# KiCad board safeproject-panel-r2.kicad_pcb
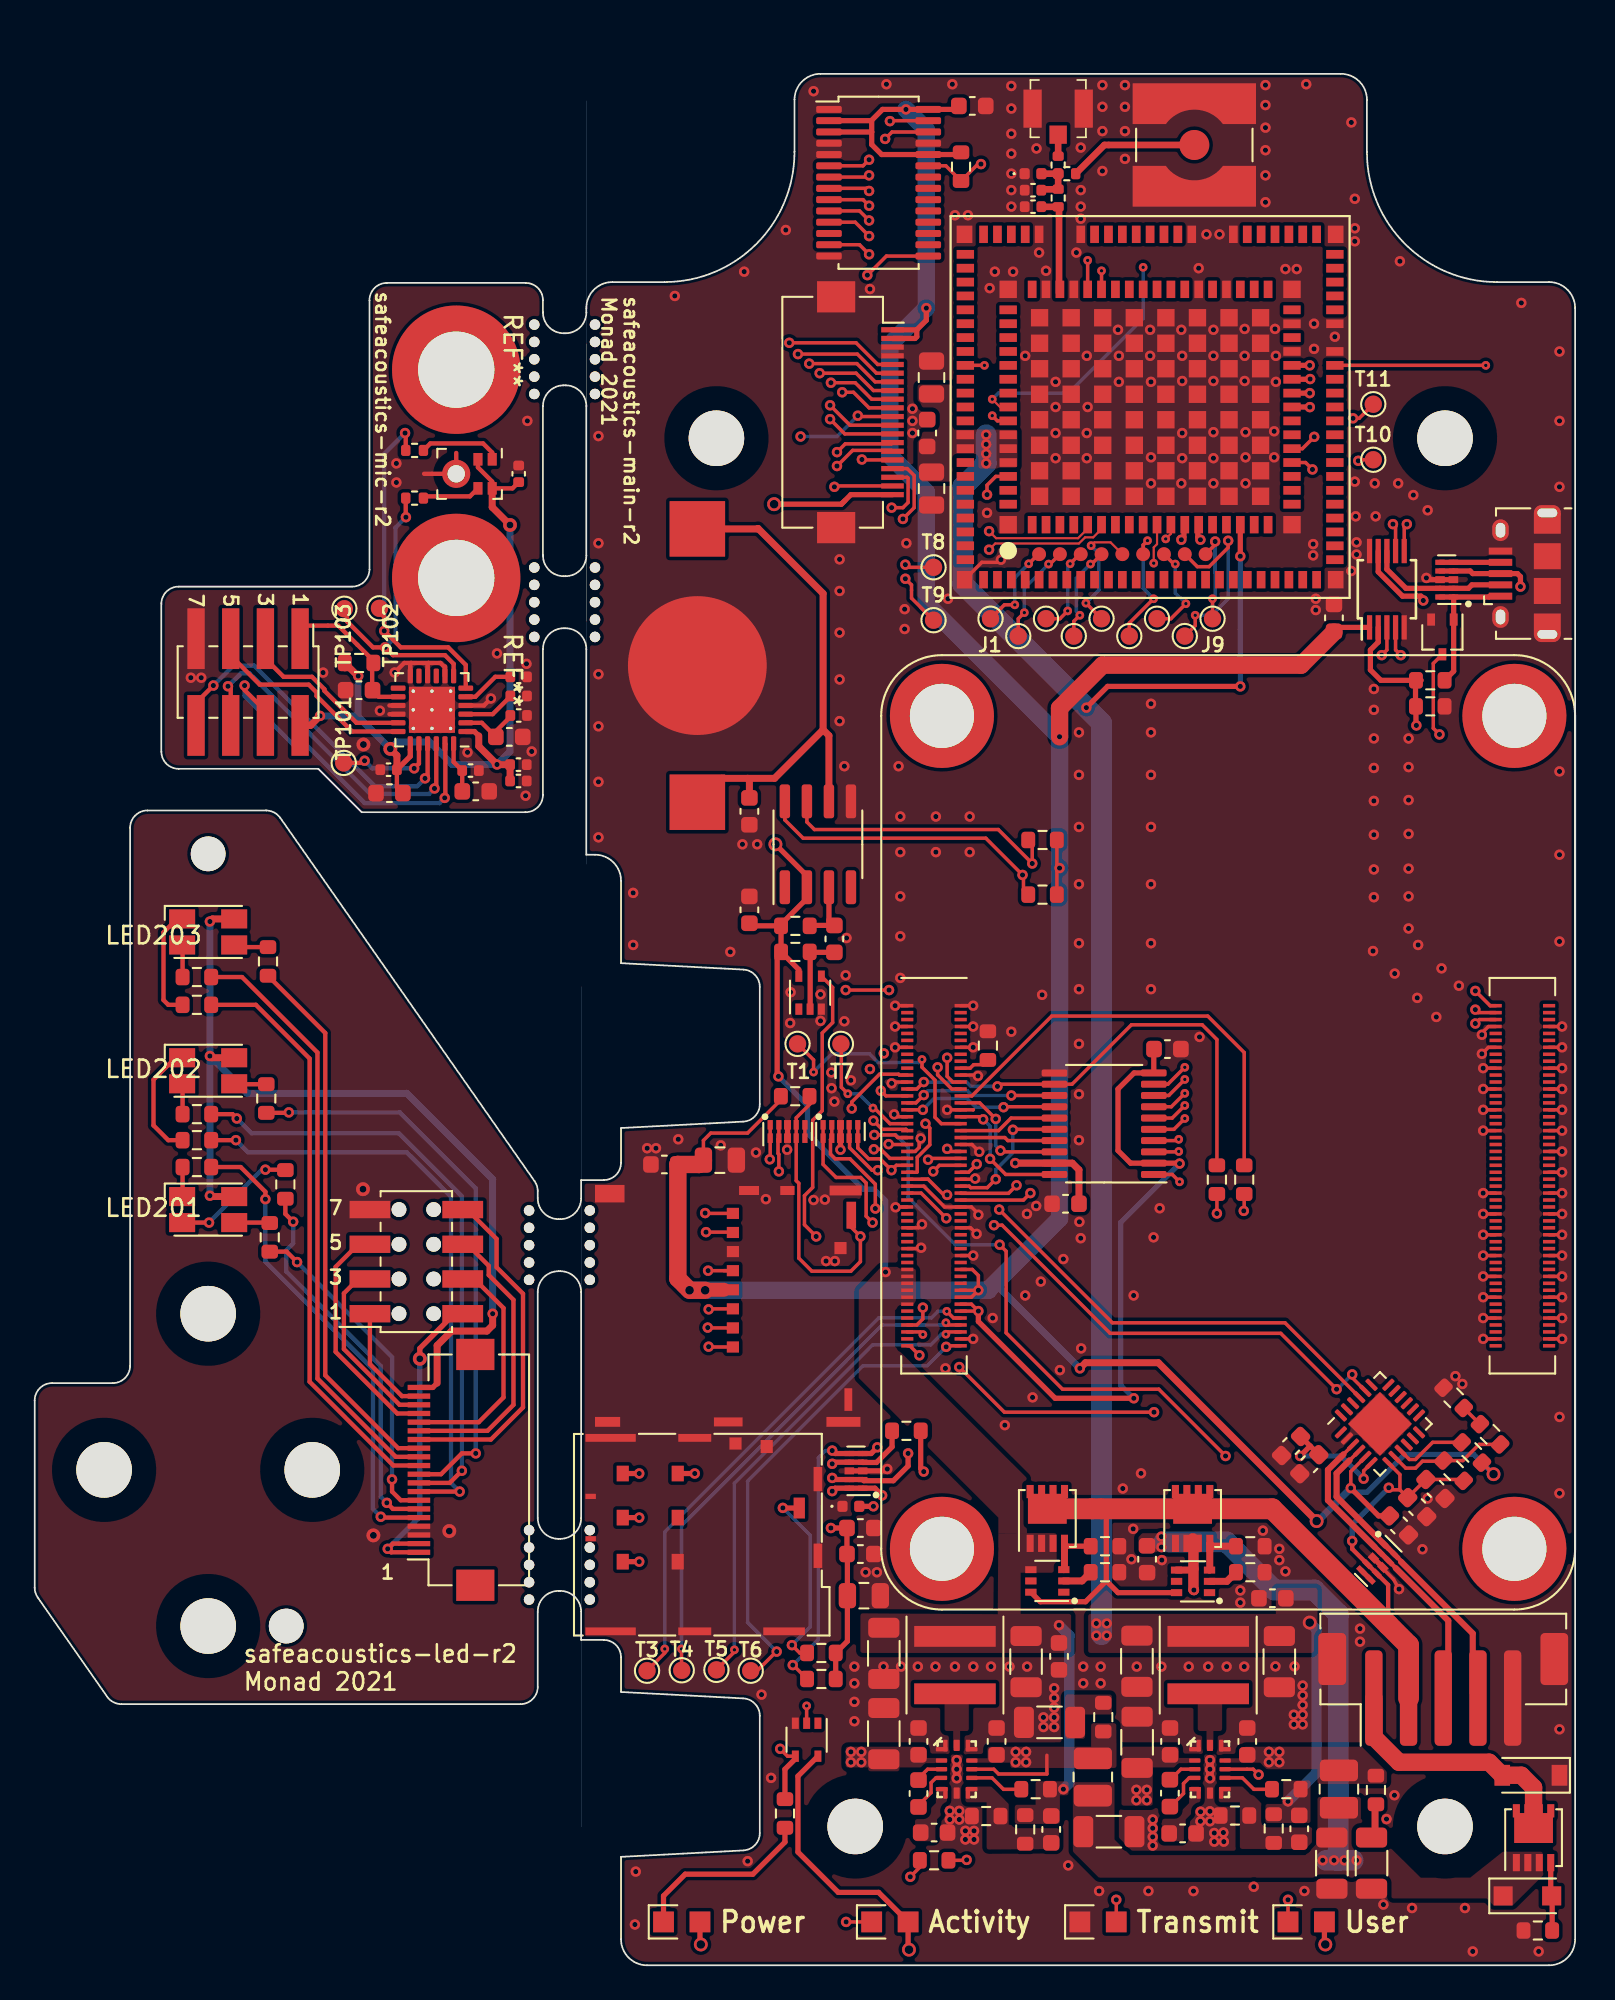
[diagram p0: board, top side]
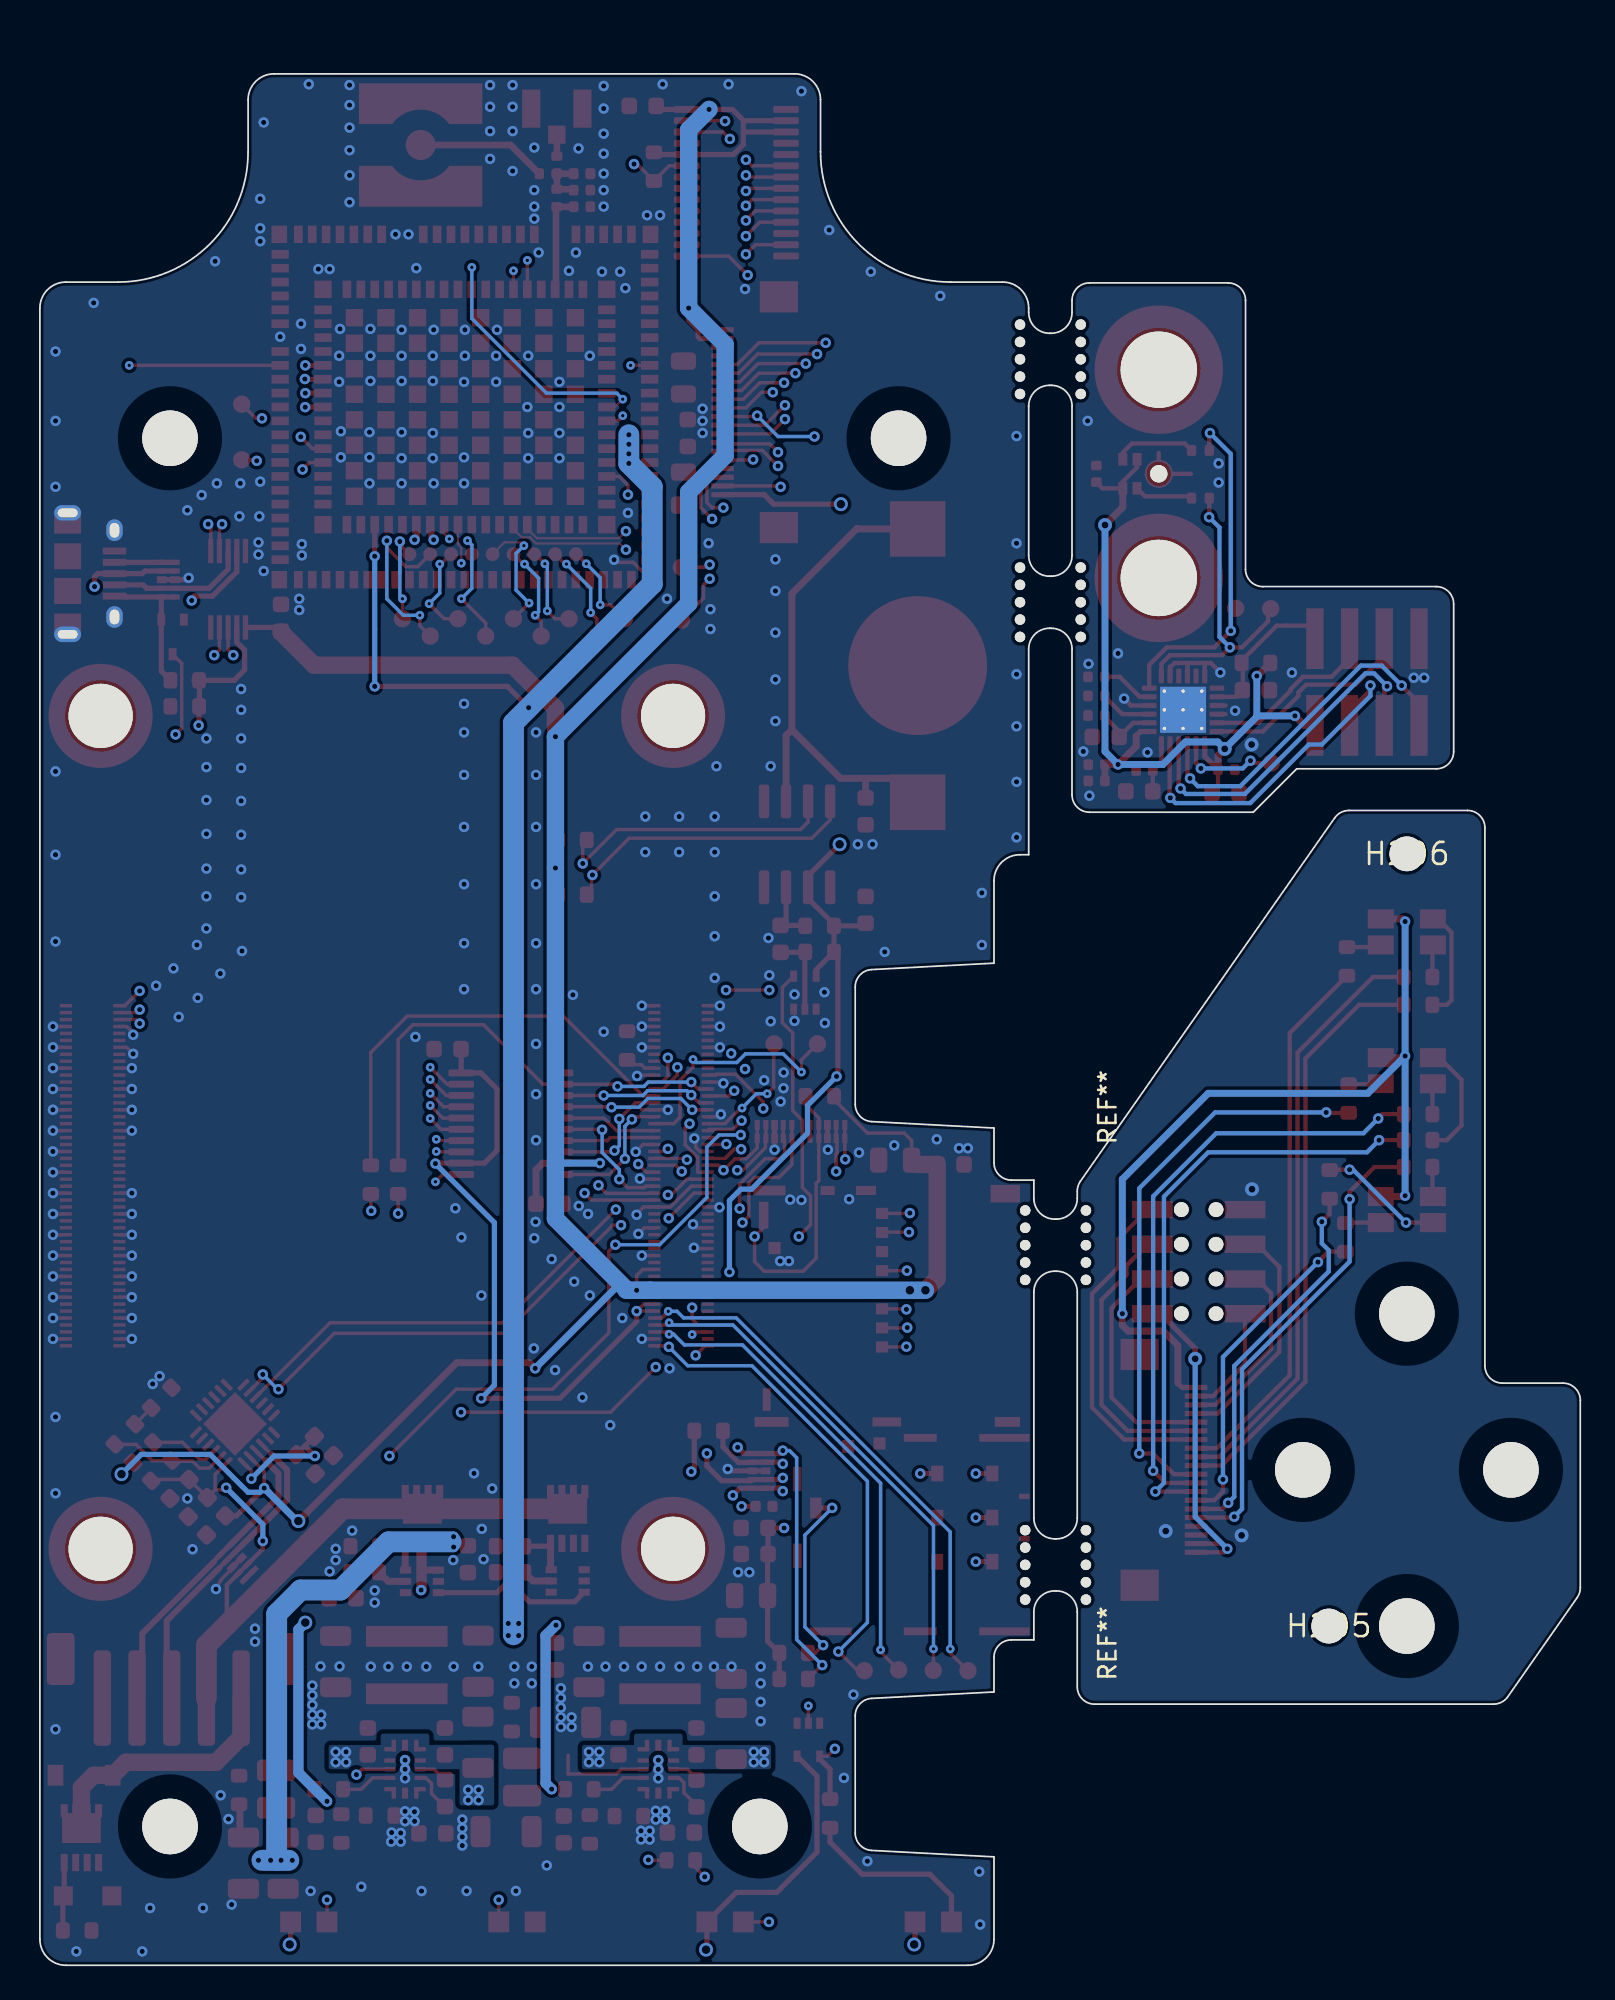
[diagram p1: board, bottom side, seen from below]

Outline 88.8 x 109 mm; copper layers: Top, In1.Cu (plane), In2.Cu, Bottom. Coordinates in mm from the lower left corner of the outline.
Outline path: 4.18,15.48 0.18,21.19 arc(0.05,21.46) 0,21.76 0,32.55 arc(0.29,33.26) 1,33.55 4.5,33.55 arc(5.21,33.84) 5.5,34.55 5.5,65.55 arc(5.79,66.26) 6.5,66.55 13.34,66.55 arc(13.8,66.44) 14.16,66.12 28.82,45.18 arc(28.95,44.91) 29,44.61 29,44.2 ; 4.18,15.48 arc(4.54,15.16) 5,15.05 28,15.05 arc(28.71,15.34) 29,16.05 29,20.38 ; 29,38.8 29,25.78 ; 29.3,95.25 29.3,95.95 arc(29.01,96.66) 28.3,96.95 20.3,96.95 arc(19.59,96.66) 19.3,95.95 19.3,80.45 arc(19.01,79.74) 18.3,79.45 8.3,79.45 arc(7.59,79.16) 7.3,78.45 7.3,69.95 arc(7.59,69.24) 8.3,68.95 16.35,68.95 18.85,66.45 28.3,66.45 arc(29.01,66.74) 29.3,67.45 29.3,75.85 ; 29.3,89.85 29.3,81.22 ; 31.5,44.2 31.5,45.25 32.8,45.25 arc(33.51,45.54) 33.8,46.25 33.8,48.25 40.85,48.62 arc(41.52,48.93) 41.8,49.62 41.8,56.38 arc(41.53,57.07) 40.85,57.38 33.8,57.75 33.8,62.5 arc(33.36,63.56) 32.3,64 31.8,64 31.8,75.85 ; 31.5,25.78 31.5,38.8 ; 31.5,20.38 31.5,18.75 32.8,18.75 arc(33.51,18.46) 33.8,17.75 33.8,15.75 40.85,15.38 arc(41.53,15.07) 41.8,14.38 41.8,7.62 arc(41.52,6.93) 40.85,6.62 33.8,6.25 33.8,1.5 arc(34.24,0.44) 35.3,0 87.3,0 arc(88.36,0.44) 88.8,1.5 88.8,95.5 arc(88.36,96.56) 87.3,97 84.3,97 arc(79,99.2) 76.8,104.5 76.8,107.5 arc(76.36,108.56) 75.3,109 45.3,109 arc(44.24,108.56) 43.8,107.5 43.8,104.5 arc(41.6,99.2) 36.3,97 33.3,97 arc(32.24,96.56) 31.8,95.5 31.8,95.25 ; 31.8,89.88 31.8,81.25
Stack: Top 0.035mm / dielectric 0.22mm FR4 er 4.5 / In1.Cu 0.035mm / dielectric 0.99mm FR4 er 4.5 / In2.Cu 0.035mm / dielectric 0.22mm FR4 er 4.5 / Bottom 0.035mm

## Placement (name value [footprint] x y rotation side)
BT1  CR1220  [Keystone-3000-CR1220-CR1216]  38.2 74.9 90 top
C1  220nF  [C_0603_1608Metric]  64.12 23.4 270 top
C2  4.7uF  [C_1206_3216Metric]  61.92 7.7 0 top
C3  220nF  [C_0603_1608Metric]  65.45 12.9 90 top
C4  220nF  [C_0603_1608Metric]  55.45 12.9 90 top
C5  4.7uF  [C_1206_3216Metric]  63.55 12.85 90 top
C6  4.7uF  [C_1206_3216Metric]  48.95 13.35 90 top
C7  1uF  [C_0603_1608Metric]  51.85 7.65 180 top
C8  1uF  [C_0603_1608Metric]  66.17 7.6 180 top
C9  100nF  [C_0603_1608Metric]  50.95 9.9 270 top
C10  100nF  [C_0603_1608Metric]  65.44 9.92 90 top
C11  18pF  [C_0603_1608Metric]  58.6 7.83 270 top
C12  15pF  [C_0603_1608Metric]  72.9 7.87 270 top
C13  47uF  [C_1206_3216Metric]  57.15 17.5 270 top
C14  47uF  [C_1206_3216Metric]  71.75 17.5 270 top
C15  47uF  [C_1206_3216Metric]  48.95 17.97 270 top
C16  47uF  [C_1206_3216Metric]  63.54 17.52 270 top
C17  100nF  [C_0603_1608Metric]  59.05 17.8 270 top
C18  100nF  [C_0603_1608Metric]  71.35 21.15 180 top
C19  DNP  [C_0402_1005Metric]  57.55 102.3 0 top
C20  DNP  [C_0402_1005Metric]  57.55 101.34 180 top
C21  15pF  [C_0603_1608Metric]  51.45 88.3 90 top
C22  47uF  [C_0805_2012Metric]  51.7 91.5 90 top
C23  47uF  [C_0805_2012Metric]  51.7 85.1 270 top
C24  DNP 4.7uF  [C_0805_2012Metric]  47.8 21.3 0 top
C25  100nF  [C_0603_1608Metric]  65.3 52.8 180 top
C26  100nF  [C_0603_1608Metric]  47.6 25.2 0 top
C27  100nF  [C_0603_1608Metric]  59.42 43.89 180 top
C28  1nF  [C_0603_1608Metric]  47.6 23.7 0 top
C29  47uF  [C_0805_2012Metric]  39.5 46.4 0 top
C30  100nF  [C_0603_1608Metric]  36.3 46.15 180 top
C31  1uF  [C_0603_1608Metric]  72.43 29.93 225 top
C32  100nF  [C_0603_1608Metric]  73.48 28.88 225 top
C33  100nF  [C_0603_1608Metric]  78.65 25.35 315 top
C34  100nF  [C_0603_1608Metric]  41.2 66.5 270 top
C35  100nF  [C_0603_1608Metric]  41.2 60.83 90 top
C36  100nF  [C_0603_1608Metric]  46.1 59.15 90 top
C37  100nF  [C_0603_1608Metric]  74.9 77.65 270 top
C38  100nF  [C_0603_1608Metric]  54.05 107.15 180 top
C39  100nF  [C_0603_1608Metric]  80.75 27.45 315 top
C40  1uF  [C_0603_1608Metric]  79.7 26.4 315 top
C41  220nF  [C_0603_1608Metric]  69.9 12.9 90 top
C42  220nF  [C_0603_1608Metric]  50.95 12.9 90 top
C43  4.7uF  [C_1206_3216Metric]  74.78 5.89 270 top
C44  4.7uF  [C_1206_3216Metric]  58.5 14 180 top
C45  4.7uF  [C_1206_3216Metric]  77.06 5.89 270 top
C101  100nF  [C_0402_1005Metric]  27.9 85.95 90 top
C102  1uF  [C_0402_1005Metric]  27.9 74.25 180 top
C103  1uF  [C_0402_1005Metric]  27.9 73.15 180 top
C104  10uF  [C_0603_1608Metric]  27.36 70.79 180 top
C105  100nF  [C_0402_1005Metric]  27.9 72.03 180 top
C106  1uF  [C_0402_1005Metric]  27.88 68.25 180 top
C107  100nF  [C_0402_1005Metric]  27.88 69.19 180 top
C108  10uF  [C_0603_1608Metric]  25.42 67.65 180 top
C109  100nF  [C_0402_1005Metric]  25.12 68.85 180 top
C110  10uF  [C_0603_1608Metric]  20.45 67.55 180 top
C111  100nF  [C_0402_1005Metric]  20.4 68.9 180 top
C112  10uF  [C_0603_1608Metric]  18.7 73.48 0 top
D1  LG R971-KN-1  [CHIPLED-0805]  49.3 2.5 0 top
D2  LH R974-LP-1  [CHIPLED-0805]  37.3 2.5 0 top
D3  LO R976-PS-1  [CHIPLED-0805]  61.3 2.5 0 top
D4  ATV02W360B-HF  [D_SOD-123]  86.25 10.95 180 top
D5  12V  [D_SOD-123F]  86.05 4 0 top
D6  0402ESDA-MLP1  [D_0402_1005Metric]  47.05 26.45 0 top
D7  LY R976-PS-36  [CHIPLED-0805]  73.3 2.5 0 top
D9  0402ESDA-MLP1  [D_0402_1005Metric]  57.55 103.25 0 top
FB1  1uH  [L_1008_2520Metric]  75.18 10.15 90 top
FB2  1uH  [L_1008_2520Metric]  61 10.85 90 top
H1  -  [MountingHole_3.2mm_M3_DIN965]  39.3 88 0 top
H2  -  [MountingHole_3.2mm_M3_DIN965]  81.3 88 0 top
H3  -  [MountingHole_3.2mm_M3_DIN965]  81.3 8 0 top
H4  -  [MountingHole_3.2mm_M3_DIN965]  47.3 8 0 top
H201  -  [MountingHole_3.2mm_M3_DIN965]  16 28.55 0 bottom
H202  -  [MountingHole_3.2mm_M3_DIN965]  4 28.55 0 bottom
H203  -  [MountingHole_3.2mm_M3_DIN965]  10 19.55 0 bottom
H204  -  [MountingHole_3.2mm_M3_DIN965]  10 37.55 0 bottom
H205  -  [unnamed]  14.5 19.55 0 bottom
H206  -  [unnamed]  10 64.05 0 bottom
J1  -  [TestPoint_Pad_D1.0mm]  55.1 77.6 180 top
J2  -  [TestPoint_Pad_D1.0mm]  56.7 76.6 180 top
J3  -  [TestPoint_Pad_D1.0mm]  58.3 77.6 180 top
J4  -  [TestPoint_Pad_D1.0mm]  59.9 76.6 180 top
J5  -  [TestPoint_Pad_D1.0mm]  61.5 77.6 180 top
J6  -  [TestPoint_Pad_D1.0mm]  63.1 76.6 180 top
J7  -  [TestPoint_Pad_D1.0mm]  64.7 77.6 180 top
J8  -  [TestPoint_Pad_D1.0mm]  66.3 76.6 180 top
J9  -  [TestPoint_Pad_D1.0mm]  67.9 77.6 180 top
J10  Conn_01x05_MountingPin  [JST_PH_B5B-PH-SM4-TB_1x05-1MP_P2.00mm_Vertical]  81.2 15.9 0 top
J11  SMA  [SMA_Amphenol_132134-10_Vertical]  66.85 104.9 180 top
J12  U_FL-R-SMT-1_10_  [Coax_Conn_U.FL]  59 107 0 top
J13  -  [JAE_SIM_Card_SF72S006]  36.36 25.8 90 top
J14  Micro_SD_Card_Det_JAE_ST11  [microSD_JAE_ST11S008V4H]  32.3 38 270 top
J15  10118194  [USB_Micro-B_Amphenol_10118194_Horizontal]  85.9 80.2 90 top
J16  FH12A-20S-0.5SH  [Hirose_FH12-20S-0.5SH_1x20-1MP_P0.50mm_Horizontal]  47.6 89.5 270 top
J101  2842142-4  [PinHeader_2x04_P2.00mm_Vertical_SMD_AMPMODU]  12.3 73.95 270 top
J201  2314844-8  [PinSocket_2x04_P2.00mm_Vertical_SMD_Bottom_or_Top_Entry_AMPMODU]  22 40.55 180 top
J202  FH12A-20S-0.5SH  [Hirose_FH12-20S-0.5SH_1x20-1MP_P0.50mm_Horizontal]  24 28.55 90 top
L1  4.7uH  [L_Coilcraft_XAL5030]  53.05 17.3 90 top
L2  3.3uH  [L_Coilcraft_XAL5030]  67.65 17.3 90 top
LED201  IN-P32TATRGB  [LED_Avago_PLCC4_3.2x2.8mm_CW]  10 43.55 0 top
LED202  IN-P32TATRGB  [LED_Avago_PLCC4_3.2x2.8mm_CW]  10 51.55 0 top
LED203  IN-P32TATRGB  [LED_Avago_PLCC4_3.2x2.8mm_CW]  10 59.55 0 top
MIC101  SPH0641LU4H-1  [Knowles_LGA-5_3.5x2.65mm]  25.07 85.95 270 top
Module1  ComputeModule4-CM4  [Raspberry-Pi-4-Compute-Module]  52.3 24 0 top
Q1  Si7113ADN  [Vishay_PowerPAK_1212-8_Single]  58.38 25.75 90 top
Q2  Si7113ADN  [Vishay_PowerPAK_1212-8_Single]  66.75 25.75 90 top
Q3  Si7113ADN  [Vishay_PowerPAK_1212-8_Single]  86.41 7.35 90 top
Q4  NX3008NBKW  [SOT-323_SC-70]  81.15 76.55 270 top
R1  DNP  [R_0603_1608Metric]  58.1 61.7 0 top
R2  DNP  [R_0603_1608Metric]  58.1 64.85 0 top
R3  DNP  [R_0603_1608Metric]  54.95 53 90 top
R4  1k  [R_0603_1608Metric]  51.85 6.05 180 top
R5  1k  [R_0603_1608Metric]  43.25 8.75 270 top
R6  1k  [R_0603_1608Metric]  68.15 45.28 270 top
R7  100k  [R_0603_1608Metric]  61.7 22.65 0 top
R8  100k  [R_0603_1608Metric]  70.08 22.65 0 top
R9  1M  [R_0603_1608Metric]  61.7 24.15 0 top
R10  1M  [R_0603_1608Metric]  70.08 24.15 0 top
R11  100k  [R_0603_1608Metric]  86.65 2 180 top
R12  100k  [R_0603_1608Metric]  57.7 10.15 180 top
R13  100k  [R_0603_1608Metric]  72.15 10.15 180 top
R14  100k  [R_0603_1608Metric]  57.1 7.83 270 top
R15  23.7k  [R_0603_1608Metric]  54.85 8.6 180 top
R16  100k  [R_0603_1608Metric]  71.43 7.88 270 top
R17  37.4k  [R_0603_1608Metric]  69.19 8.63 180 top
R18  DNP  [R_0402_1005Metric]  59.5 103.25 180 top
R19  0R  [R_0402_1005Metric]  59 103.75 270 top
R20  0R  [R_0402_1005Metric]  59 101.84 270 top
R21  DNP 29.4k  [R_0603_1608Metric]  45.35 18 0 top
R22  DNP 15k  [R_0603_1608Metric]  45.35 16.5 0 top
R23  0R  [R_0603_1608Metric]  50.25 30.8 180 top
R24  100k  [R_0603_1608Metric]  43.84 50.08 180 top
R25  23.7k  [R_0603_1608Metric]  81.8 28.5 135 top
R26  23.7k  [R_0603_1608Metric]  83.9 30.6 135 top
R27  23.7k  [R_0603_1608Metric]  81.8 32.7 135 top
R28  1k  [R_0603_1608Metric]  82.85 29.55 135 top
R29  510k  [R_0603_1608Metric]  43.85 59.9 0 top
R30  510k  [R_0603_1608Metric]  43.85 58.4 0 top
R31  1k  [R_0603_1608Metric]  80.45 74.05 0 top
R32  1k  [R_0603_1608Metric]  80.45 72.55 0 top
R33  100k  [R_0603_1608Metric]  53.4 103.65 90 top
R34  1k  [R_0603_1608Metric]  69.72 45.28 270 top
R35  0.1R  [R_0603_1608Metric]  61.6 14.3 90 top
R36  0.1R  [R_0603_1608Metric]  77.32 10.1 270 top
R101  22R  [R_0402_1005Metric]  21.9 87.3 180 top
R102  22R  [R_0402_1005Metric]  21.9 84.55 180 top
R103  100k  [R_0603_1608Metric]  18.7 75.05 180 top
R201  22R  [R_0603_1608Metric]  13.55 41.95 90 top
R202  22R  [R_0603_1608Metric]  13.35 49.95 90 top
R203  22R  [R_0603_1608Metric]  13.45 57.85 90 top
R204  22R  [R_0603_1608Metric]  14.45 45 90 top
R205  22R  [R_0603_1608Metric]  9.35 49.05 180 top
R206  22R  [R_0603_1608Metric]  9.35 56.95 180 top
R207  22R  [R_0603_1608Metric]  9.35 46 180 top
R208  22R  [R_0603_1608Metric]  9.35 47.55 180 top
R209  22R  [R_0603_1608Metric]  9.35 55.35 180 top
REF**  -  [mousebite-2.5mm]  29.3 78.55 270 top
REF**#2  -  [mousebite-2.5mm]  29 23.08 270 top
REF**#3  -  [mousebite-2.5mm]  29.3 92.55 270 top
REF**#4  -  [mousebite-2.5mm]  29 41.5 270 top
SP1  wurth-spacer-9774030151R  [wurth-spacer-WA-SMSI-9774030151R]  52.3 72 0 top
SP2  wurth-spacer-9774030151R  [wurth-spacer-WA-SMSI-9774030151R]  85.3 72 0 top
SP3  wurth-spacer-9774030151R  [wurth-spacer-WA-SMSI-9774030151R]  85.3 24 0 top
SP4  wurth-spacer-9774030151R  [wurth-spacer-WA-SMSI-9774030151R]  52.3 24 0 top
SP101  wurth-spacer-WA-SMSI-9774070360  [wurth-spacer-WA-SMSI-9774070360R]  24.3 91.95 270 top
SP102  wurth-spacer-WA-SMSI-9774070360  [wurth-spacer-WA-SMSI-9774070360R]  24.3 79.95 270 top
T1  -  [TestPoint_Pad_D1.0mm]  43.97 53.1 0 top
T3  -  [TestPoint_Pad_D1.0mm]  35.3 16.97 0 top
T4  -  [TestPoint_Pad_D1.0mm]  37.3 17 0 top
T5  -  [TestPoint_Pad_D1.0mm]  39.3 17.03 0 top
T6  -  [TestPoint_Pad_D1.0mm]  41.28 16.97 0 top
T7  -  [TestPoint_Pad_D1.0mm]  46.47 53.1 0 top
T8  -  [TestPoint_Pad_D1.0mm]  51.82 80.56 0 top
T9  -  [TestPoint_Pad_D1.0mm]  51.82 77.51 0 top
T10  -  [TestPoint_Pad_D1.0mm]  77.17 86.76 0 top
T11  -  [TestPoint_Pad_D1.0mm]  77.17 89.96 0 top
TP101  TestPoint  [TestPoint_Pad_D1.0mm]  17.81 69.29 270 top
TP102  TestPoint  [TestPoint_Pad_D1.0mm]  19.88 78.2 270 top
TP103  TestPoint  [TestPoint_Pad_D1.0mm]  17.85 78.17 270 top
U1  74LVC1G07DCK  [SOT-353_SC-70-5]  44.5 13 270 top
U2  ESD7004  [USON-10_2.5x1.0mm_P0.5mm]  77.45 23.2 315 top
U3  DZDH0401DW  [SOT-363_SC-70-6]  58.38 22.15 180 top
U4  DZDH0401DW  [SOT-363_SC-70-6]  66.78 22.12 180 top
U5  LM60440DRPK  [WQFN-HR-13]  53.15 11.3 0 top
U6  LM60440DRPK  [WQFN-HR-13]  67.75 11.3 0 top
U7  Sierra_Wireless_RC7620  [Cellular_Modem-Sierra-Wireless-module-CF3-ringCD]  64.3 89.8 90 top
U8  ESD7004  [USON-10_2.5x1.0mm_P0.5mm]  47.35 28.49 180 top
U9  TXS0108EPW  [TSSOP-20_4.4x6.5mm_P0.65mm]  61.65 48.5 180 top
U10  ESD7004  [USON-10_2.5x1.0mm_P0.5mm]  46.45 48.05 90 top
U11  ESD7004  [USON-10_2.5x1.0mm_P0.5mm]  43.4 48.05 90 top
U12  CP2102N-Axx-xQFN24  [QFN-24-1EP_4x4mm_P0.5mm_EP2.6x2.6mm]  77.55 31.2 45 top
U13  DS3231MZ  [SOIC-8_3.9x4.9mm_P1.27mm]  45.15 64.6 90 top
U14  74LVC1G07DCK  [SOT-353_SC-70-5]  44.7 56.05 90 top
U15  FSUSB42MX  [MSOP-10_3x3mm_P0.5mm]  77.95 79.3 90 top
U16  ESD7004  [USON-10_2.5x1.0mm_P0.5mm]  81.4 79.85 180 top
U17  PCA9685PW  [TSSOP-28_4.4x9.7mm_P0.65mm]  48.65 102.72 0 top
U101  PCMD3180  [QFN-24-1EP_4x4mm_P0.5mm_EP2.65x2.65mm_ThermalVias]  22.9 72.35 180 top

## Library data of the parts
J12 = -: Description: CONN U.FL RCPT STR 50 OHM SMD; Category: Connectors, Interconnects; DK_Datasheet_Link: https://www.hirose.com/product/en/download_file/key_name/U.FL-R-SMT-1%2810%29/category/Drawing%20(2D)/doc_file_id/37627/?file_category_id=6&item_id=03310472210&is_series=U.FL-R-SMT-1(10; DK_Detail_Page: /product-detail/en/hirose-electric-co-ltd/U.FL-R-SMT-1(10)/H11891CT-ND/2504612; Digi-Key_PN: H11891CT-ND; Family: Coaxial Connectors (RF); MPN: U.FL-R-SMT-1(10); Manufacturer: Hirose Electric Co Ltd; Status: Active
Module1 = -: Field4: Hirose; Field5: 2x DF40C-100DS-0.4V
U7 = -: MANUFACTURER: Sierra Wireliess

## Footprints (pads in the part's own frame, mm; a bottom-side part is the same pattern mirrored in y, then rotated)
C_0402_1005Metric
  rrect 0.56x0.62 smd: 1(-0.48,0) 2(0.48,0)
C_0603_1608Metric
  rrect 0.9x0.95 smd: 1(-0.775,0) 2(0.775,0)
C_0805_2012Metric
  rrect 1x1.45 smd: 1(-0.95,0) 2(0.95,0)
C_1206_3216Metric
  rrect 1.15x1.8 smd: 1(-1.475,0) 2(1.475,0)
Cellular_Modem-Sierra-Wireless-module-CF3-ringCD
  rect 1x0.5 smd: 1(-6.78,6.8) 2(-6.78,6) 3(-6.78,5.2) 4(-6.78,4.4) 5(-6.78,3.6) 6(-6.78,2.8) 7(-6.78,2) 8(-6.78,1.2) 9(-6.78,0.4) 10(-6.78,-0.4) 11(-6.78,-1.2) 12(-6.78,-2) 13(-6.78,-2.8) 14(-6.78,-3.6) 15(-6.78,-4.4) 16(-6.78,-5.2) 17(-6.78,-6) 18(-6.78,-6.8) 34(6.78,-6.8) 35(6.78,-6) 36(6.78,-5.2) 37(6.78,-4.4) 38(6.78,-3.6) 39(6.78,-2.8) 40(6.78,-2) 41(6.78,-1.2) 42(6.78,-0.4) 43(6.78,0.4) 44(6.78,1.2) 45(6.78,2) 46(6.78,2.8) 47(6.78,3.6) 48(6.78,4.4) 49(6.78,5.2) 50(6.78,6) 51(6.78,6.8) 71(-9.95,9.6) 72(-9.95,8.8) 73(-9.95,8) 74(-9.95,7.2) 75(-9.95,6.4) 76(-9.95,5.6) 77(-9.95,4.8) 78(-9.95,4) 79(-9.95,3.2) 80(-9.95,2.4) 81(-9.95,1.6) 82(-9.95,0.8) 83(-9.95,0) 84(-9.95,-0.8) 85(-9.95,-1.6) 86(-9.95,-2.4) 87(-9.95,-3.2) 88(-9.95,-4) 89(-9.95,-4.8) 90(-9.95,-5.6) 91(-9.95,-6.4) 92(-9.95,-7.2) 93(-9.95,-8) 94(-9.95,-8.8) 95(-9.95,-9.6) 119(9.95,-9.6) 120(9.95,-8.8) 121(9.95,-8) 122(9.95,-7.2) 123(9.95,-6.4) 124(9.95,-5.6) 125(9.95,-4.8) 128(9.95,-2.4) 129(9.95,-1.6) 130(9.95,-0.8) 131(9.95,0) 132(9.95,0.8) 133(9.95,1.6) 134(9.95,2.4) 135(9.95,3.2) 136(9.95,4) 139(9.95,6.4) 140(9.95,7.2) 141(9.95,8) 142(9.95,8.8) 143(9.95,9.6)
  rect 0.5x1 smd: 19(-5.6,-8.18) 20(-4.8,-8.18) 21(-4,-8.18) 22(-3.2,-8.18) 23(-2.4,-8.18) 24(-1.6,-8.18) 25(-0.8,-8.18) 26(0,-8.18) 27(0.8,-8.18) 28(1.6,-8.18) 29(2.4,-8.18) 30(3.2,-8.18) 31(4,-8.18) 32(4.8,-8.18) 33(5.6,-8.18) 52(5.6,8.18) 53(4.8,8.18) 54(4,8.18) 55(3.2,8.18) 56(2.4,8.18) 57(1.6,8.18) 58(0.8,8.18) 59(0,8.18) 60(-0.8,8.18) 61(-1.6,8.18) 62(-2.4,8.18) 63(-3.2,8.18) 64(-4,8.18) 65(-4.8,8.18) 66(-5.6,8.18) 96(-8.8,-10.65) 97(-8,-10.65) 98(-7.2,-10.65) 99(-6.4,-10.65) 100(-5.6,-10.65) 101(-4.8,-10.65) 102(-4,-10.65) 103(-3.2,-10.65) 104(-2.4,-10.65) 105(-1.6,-10.65) 106(-0.8,-10.65) 107(0,-10.65) 108(0.8,-10.65) 109(1.6,-10.65) 110(2.4,-10.65) 111(3.2,-10.65) 113(4.8,-10.65) 114(5.6,-10.65) 115(6.4,-10.65) 116(7.2,-10.65) 117(8,-10.65) 118(8.8,-10.65) 144(8.8,10.65) 145(8,10.65) 146(7.2,10.65) 147(6.4,10.65) 148(5.6,10.65) 149(4.8,10.65) 150(4,10.65) 151(3.2,10.65) 152(2.4,10.65) 153(1.6,10.65) 154(0.8,10.65) 155(0,10.65) 156(-0.8,10.65) 157(-1.6,10.65) 157(-1.6,10.65) 158(-2.4,10.65) 159(-3.2,10.65) 160(-4,10.65) 161(-4.8,10.65) 162(-5.6,10.65) 163(-6.4,10.65) 164(-7.2,10.65) 165(-8,10.65) 166(-8.8,10.65)
  rect 1x1 smd: 67(-6.78,8.18) 68(-6.78,-8.18) 69(6.78,-8.18) 70(6.78,8.18) 171(-5.145,6.37) 172(-3.675,6.37) 173(-2.205,6.37) 174(-0.735,6.37) 175(0.735,6.37) 176(2.205,6.37) 177(3.675,6.37) 178(5.145,6.37) 179(5.145,4.55) 180(5.145,2.73) 181(5.145,0.91) 182(5.145,-0.91) 183(5.145,-2.73) 184(5.145,-4.55) 185(5.145,-6.37) 186(3.675,-6.37) 187(2.205,-6.37) 188(0.735,-6.37) 189(-0.735,-6.37) 190(-2.205,-6.37) 191(-3.675,-6.37) 192(-5.145,-6.37) 193(-5.145,-4.55) 194(-5.145,-2.73) 195(-5.145,-0.91) 196(-5.145,0.91) 197(-5.145,2.73) 198(-5.145,4.55) 199(-3.675,4.55) 200(-2.205,4.55) 201(-0.735,4.55) 202(0.735,4.55) 203(2.205,4.55) 204(3.675,4.55) 205(3.675,2.73) 206(3.675,0.91) 207(3.675,-0.91) 208(3.675,-2.73) 209(3.675,-4.55) 210(2.205,-4.55) 211(0.735,-4.55) 212(-0.735,-4.55) 213(-2.205,-4.55) 214(-3.675,-4.55) 215(-3.675,-2.73) 216(-3.675,-0.91) 217(-3.675,0.91) 218(-3.675,2.73) 219(-2.205,2.73) 220(-0.735,2.73) 221(0.735,2.73) 222(2.205,2.73) 223(2.205,0.91) 224(2.205,-0.91) 225(2.205,-2.73) 226(0.735,-2.73) 227(-0.735,-2.73) 228(-2.205,-2.73) 229(-2.205,-0.91) 230(-2.205,0.91) 231(-0.735,0.91) 232(0.735,0.91) 233(0.735,-0.91) 234(-0.735,-0.91)
  rect 1x0.9 smd: 167(-9.95,10.7) 168(-9.95,-10.7) 169(9.95,-10.7) 170(9.95,10.7)
  round 0.8 smd: 236(-8.48,6.4) 237(-8.48,5.2) 238(-8.48,4) 239(-8.48,2.8) 240(-8.48,1.6) 241(-8.48,0.4) 242(-8.48,-0.8) 243(-8.48,-2) 244(-8.48,-3.2)
CHIPLED-0805
  rect 1.2x1.2 smd: 1(-1.05,0) 2(1.05,0)
Coax_Conn_U.FL
  rect 1.05x2.2 smd: 1(-1.475,0) 1(1.475,0)
  rect 1x1.05 smd: 2(0,-1.5)
D_0402_1005Metric
  rrect 0.59x0.64 smd: 1(-0.485,0) 2(0.485,0)
D_SOD-123
  rect 0.9x1.2 smd: 1(-1.65,0) 2(1.65,0)
D_SOD-123F
  rect 1.1x1.1 smd: 1(-1.4,0) 2(1.4,0)
Hirose_FH12-20S-0.5SH_1x20-1MP_P0.50mm_Horizontal
  rect 0.3x1.3 smd: 1(-4.75,1.85) 2(-4.25,1.85) 3(-3.75,1.85) 4(-3.25,1.85) 5(-2.75,1.85) 6(-2.25,1.85) 7(-1.75,1.85) 8(-1.25,1.85) 9(-0.75,1.85) 10(-0.25,1.85) 11(0.25,1.85) 12(0.75,1.85) 13(1.25,1.85) 14(1.75,1.85) 15(2.25,1.85) 16(2.75,1.85) 17(3.25,1.85) 18(3.75,1.85) 19(4.25,1.85) 20(4.75,1.85)
  rect 1.8x2.2 smd: MP(-6.65,-1.4) MP(6.65,-1.4)
JAE_SIM_Card_SF72S006
  rect 0.9x0.7 smd: C1(-2.54,2.46) C2(0,2.46) C3(2.54,2.46) C5(-2.54,-0.71) C6(0,-0.71) C7(2.54,-0.71)
  rect 0.7x0.7 smd: CSW(4.27,-4.04)
  rect 1.2x0.65 smd: DSW(0.55,-7.715)
  rect 0.45x2.9 smd: SH(-6.555,3.16) SH(4.595,3.16)
  rect 0.45x1.9 smd: SH(-6.555,-1.69) SH(4.595,-1.69)
  rect 0.45x2.4 smd: SH(-6.555,-6.84)
  rect 1.4x0.5 smd: SH(-2.2,-8.79) SH(2.22,-8.79)
  rect 0.3x0.6 smd: SH(-1.22,4.31) SH(1.22,4.31)
  rect 0.75x0.7 smd: SH(4.095,-5.84)
JST_PH_B5B-PH-SM4-TB_1x05-1MP_P2.00mm_Vertical
  rrect 1x5.5 smd: 1(-4,-0.5) 2(-2,-0.5) 3(0,-0.5) 4(2,-0.5) 5(4,-0.5)
  rrect 1.6x3 smd: MP(-6.4,1.75) MP(6.4,1.75)
Keystone-3000-CR1220-CR1216
  rect 3.2x3.2 smd: 1(-7.875,0) 1(7.875,0)
  round 8 smd: 2(0,0)
Knowles_LGA-5_3.5x2.65mm
  round 1 hole 1 unplated: (0,-0.77)
  rect 0.725x0.522 smd: 1(-0.838,1.304) 2(-0.838,0.482) 4(0.838,0.482) 5(0.838,1.304)
  custom 1.625x1.625 smd: 3(0,-1.433)
L_1008_2520Metric
  rrect 1.25x2.2 smd: 1(-1.075,0) 2(1.075,0)
L_Coilcraft_XAL5030
  rect 1.2x4.7 smd: 1(-1.655,0) 2(1.655,0)
LED_Avago_PLCC4_3.2x2.8mm_CW
  rect 1.5x1.1 smd: 1(-1.5,0.75) 2(1.5,0.75) 3(1.5,-0.75) 4(-1.5,-0.75)
microSD_JAE_ST11S008V4H
  rect 0.64x0.7 smd: 1(2.37,7.95) 2(1.27,7.95) 3(0.17,7.95) 4(-0.93,7.95) 5(-2.03,7.95) 6(-3.13,7.95) 7(-4.23,7.95) 8(-5.33,7.95)
  rect 1.55x0.55 smd: DSW1(-5.225,14.775)
  rect 0.7x0.7 smd: DSW2(-3.33,14.15)
  rect 0.57x1.85 smd: GND(-6.65,14.45)
  rect 0.52x0.82 smd: GND(-6.65,11.09)
  rect 0.52x1.15 smd: GND(-6.65,8.88)
  rect 1.01x1.7 smd: GND(-6.465,0.85)
  rect 1.3x0.45 smd: GND(5.4,14.605)
  rect 0.57x1.96 smd: GND(6.685,14.32)
  rect 0.52x1.65 smd: GND(6.685,7.68)
  rect 0.57x1.45 smd: GND(6.685,0.725)
MountingHole_3.2mm_M3_DIN965
  round 5.5 hole 3.2 unplated: (0,0)
mousebite-2.5mm
  round 0.6 hole 0.6 unplated: (-2,3) (-2,-0.5) (-1,3) (-1,-0.5) (0,3) (0,-0.5) (1,3) (1,-0.5) (2,3) (2,-0.5)
MSOP-10_3x3mm_P0.5mm
  rect 1.4x0.3 smd: 1(-2.2,1) 2(-2.2,0.5) 3(-2.2,0) 4(-2.2,-0.5) 5(-2.2,-1) 6(2.2,-1) 7(2.2,-0.5) 8(2.2,0) 9(2.2,0.5) 10(2.2,1)